# Altium PCB radxa_nx4_io_board_v1.11.PcbDoc (part 2 of 13)
Units mil, origin at the board's own origin, x right, y up, seen from the top; angles counter-clockwise.
Board outline 3937.01 x 3110.23 mil, 6 copper layers (TOP, GND02, ART03, ART04, GND05, BOTTOM), stack 47.2 mil thick; 639 components, 522 nets, 2442 pads, 1896 vias.
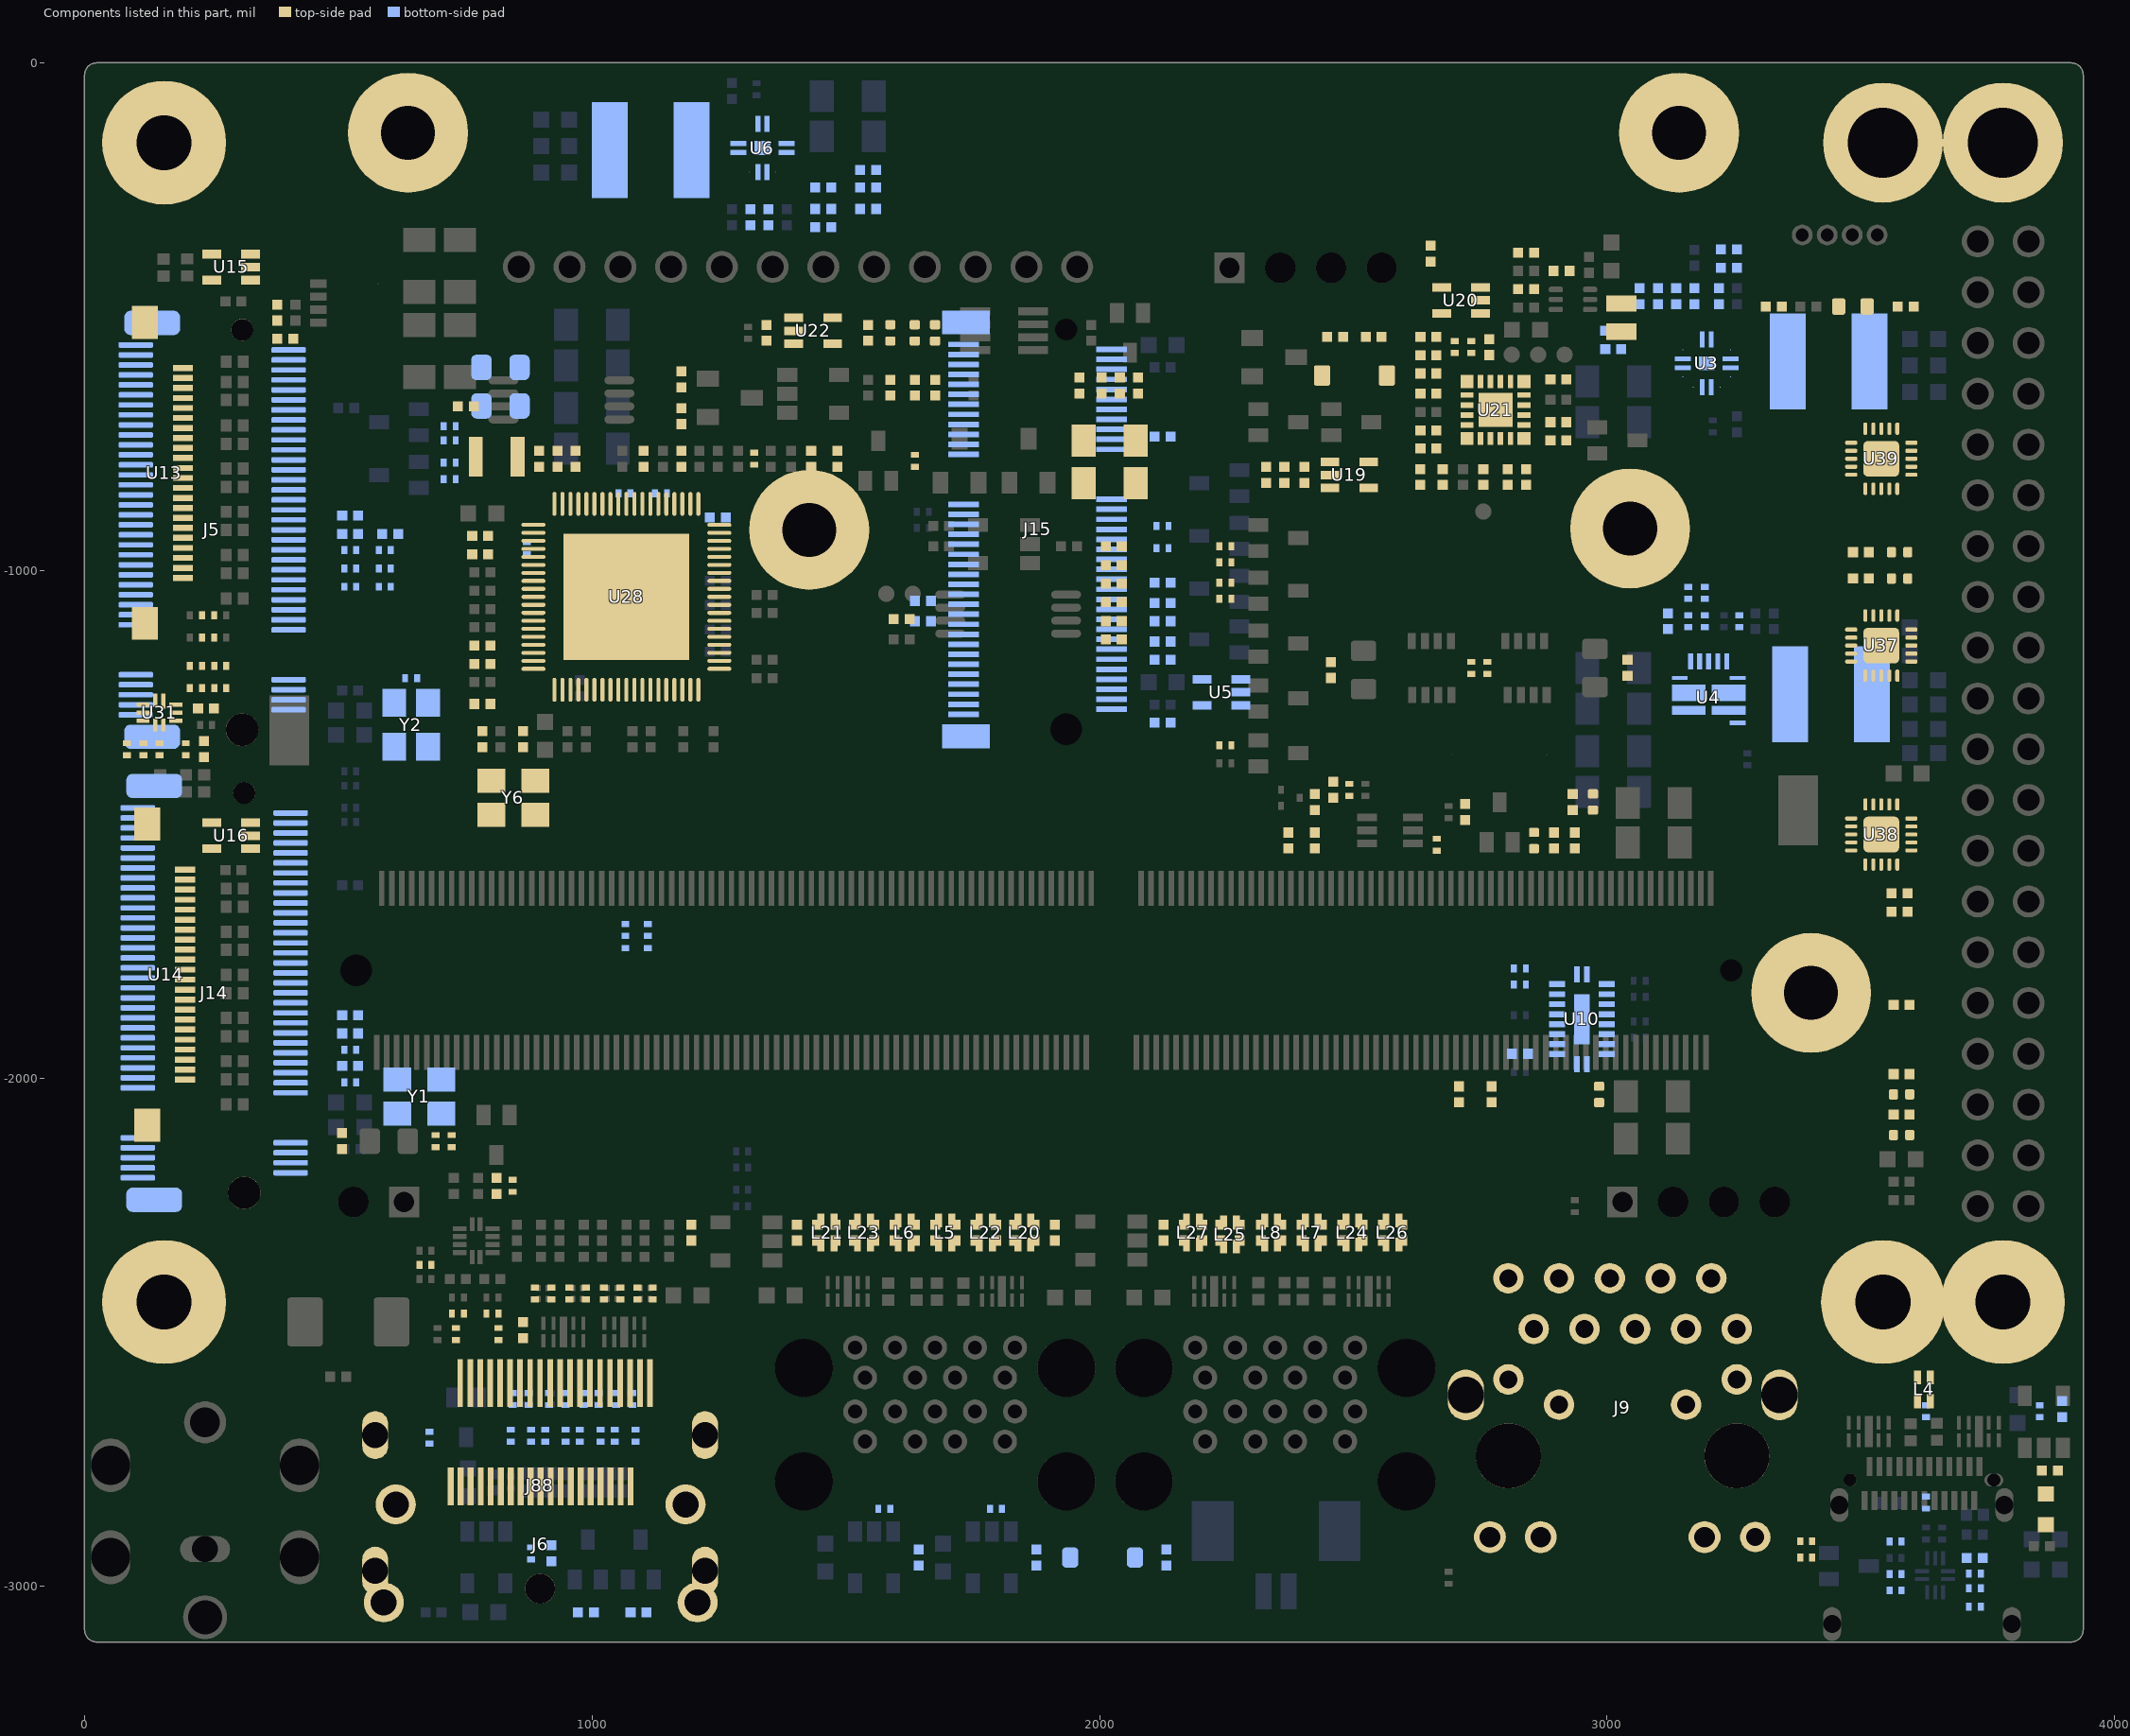
[diagram p6: the components of this part, seen from the top]

## Footprints (in the part's own frame and the unit in brackets; to place one, negate y for a bottom-side part, rotate by r counter-clockwise, add the part's x,y. Pads: shape width x height; smd on the part's side, far side on the other; paste and mask are expansions set on the pad) (continued)
DP_SM20_17D0X17D0 [mil] "DP_SM20_17D0X17D0"
  rect 11.02x94.49 smd: 1(216.53,264.5) 2(196.85,264.5) 3(177.16,264.5) 4(157.48,264.5) 5(137.79,264.5) 6(118.11,264.5) 7(98.42,264.5) 8(78.74,264.5) 9(59.05,264.5) 10(39.37,264.5) 11(19.68,264.5) 12(0,264.5) 13(-19.69,264.5) 14(-39.37,264.5) 15(-59.06,264.5) 16(-78.74,264.5) 17(-98.43,264.5) 18(-118.11,264.5) 19(-137.8,264.5) 20(-157.48,264.5)
  oval 51.18x94.49 hole 51.18 slot 94.49 at 90 deg: 21(-324.8,162.14) 22(-324.8,-104.79) 23(324.8,-104.79) 24(324.8,162.14)
  round 59.06 hole 59.06: ""(0,-140.22)
ESD_D0402 [mil] "ESD_D0402"
  rrect33% 18x20 smd: 1(16,0) 2(-16,0)
  TOP keep-out region: -6.5,10 -6.5,-10 6.5,-10 6.5,10
  TOP keep-out region: -30,15 -30,7 -21,7 -21,15
  TOP keep-out region: -30,-7 -30,-15 -21,-15 -21,-7
  body extent -33,-18 33,18, height 150
FB0603 [mil] "FB0603"
  rrect31% 26x32 smd: 1(-28,0.2) 2(28,0.2)
  body extent -48,-26 48,26, height 150
FB0805 [mil] "FB0805"
  rrect50% 40x50 smd: 1(-37.5,0) 2(37.5,0)
  body extent -70,-35 70,35, height 150
FPC_22_0D5_LIE [mm] "FPC_22_0D5_LIE"
  rect 0.3x1 smd: 1(5.25,2.15) 2(4.75,2.15) 3(4.25,2.15) 4(3.75,2.15) 5(3.25,2.15) 6(2.75,2.15) 7(2.25,2.15) 8(1.75,2.15) 9(1.25,2.15) 10(0.75,2.15) 11(0.25,2.15) 12(-0.25,2.15) 13(-0.75,2.15) 14(-1.25,2.15) 15(-1.75,2.15) 16(-2.25,2.15) 17(-2.75,2.15) 18(-3.25,2.15) 19(-3.75,2.15) 20(-4.25,2.15) 21(-4.75,2.15) 22(-5.25,2.15)
  rect 1.65x1.3 smd: 23(-7.525,0.25) 24(7.525,0.25)
  silkscreen extent 4.98,3.05 5.38,3.35, body extent -8.5,-2.85 8.5,2.85, height 3.81
HDMI_SM19_0D5_LIE_S [mm] "HDMI_SM19_0D5_LIE_S"
  rect 0.3x1.9 smd: 1(4.5,4.25) 2(4,4.25) 3(3.5,4.25) 4(3,4.25) 5(2.5,4.25) 6(2,4.25) 7(1.5,4.25) 8(1,4.25) 9(0.5,4.25) 10(0,4.25) 11(-0.5,4.25) 12(-1,4.25) 13(-1.5,4.25) 14(-2,4.25) 15(-2.5,4.25) 16(-3,4.25) 17(-3.5,4.25) 18(-4,4.25) 19(-4.5,4.25)
  round 2 hole 1.3: 20(-7.25,3.35) 21(7.25,3.35) 22(7.85,-1.55) 23(-7.85,-1.55)
  silkscreen extent -7.75,-5.15 7.75,5.75, body extent -8,-5.35 8,5.35, height 3.81
HOLE_2D7_6D0_A#1 [mm] "HOLE_2D7_6D0_A"
  round 3.7 / inner round 3.7 / far side round 6 hole 2.7: 1(0,0)
  body extent -3.05,-3.05 3.05,3.05, height 3.81
HOLE_2D7_6D0_A#2 [mm] "HOLE_2D7_6D0_A"
  round 6 / inner round 3.7 / far side round 3.7 hole 2.7: 1(0,0)
HOLE_C6_0D3_5MM [mm] "HOLE_C6_0D3_5MM"
  round 6 hole 3.5: 1(0,0)
  body extent -3.51,-3.51 3.51,3.51, height 3.81
HOLE_C6_2D2_75MM [mil] "HOLE_C6_2D2_75MM"
  round 244.09 / inner round 147.64 / far side round 244.09 hole 108.27: 1(0,0)
  body extent -126,-126 126,125, height 150
L_2016 [mil] "L_2016"
  rect 32x60 smd: 1(-27.56,0) 2(27.56,0)
  body extent -50,-40 50,40, height 150
L_2520 [mm] "L_2520"
  rect 0.7x2 smd: 1(-1.037,0) 2(1.063,0)
  TOP keep-out region: -0.597,-1.016 0.622,-1.016 0.622,1.016 -0.597,1.016
  body extent -1.46,-1.04 1.46,1.04, height 3.81
L_5030 [mil] "L_5030"
  rect 70.87x188.98 smd: 1(-80.71,0) 2(80.71,0)
  body extent -126,-103 126,103, height 150
LC1210 [mm] "LC1210"
  rect 0.7x0.35 smd: 1(-0.6,-0.325) 2(-0.6,0.325) 3(0.6,0.325) 4(0.6,-0.325)
  silkscreen extent -0.95,-1.38 -0.43,-0.86, body extent -1.27,-0.76 1.27,0.76, height 3.81
LED_D0603 [mil] "LED_D0603"
  rect 30x32 smd: 1(-30.25,0) 2(29.75,0)
  silkscreen extent -10,-20 10,20, body extent -53,-25 53,25, height 150
M2-M_KEY_SM_75_0D5 [mil] "M2-M_KEY_SM_75_0D5"
  rrect50% 68x11 smd: 1(-1652.56,-364.17) 2(-1351.37,-354.33) 3(-1652.56,-344.49) 4(-1351.37,-334.65) 5(-1652.56,-324.8) 6(-1351.37,-314.96) 7(-1652.56,-305.12) 8(-1351.37,-295.28) 9(-1652.56,-285.43) 10(-1351.37,-275.59) 11(-1652.56,-265.75) 12(-1351.37,-255.91) 13(-1652.56,-246.06) 14(-1351.37,-236.22) 15(-1652.56,-226.38) 16(-1351.37,-216.54) 17(-1652.56,-206.69) 18(-1351.37,-196.85) 19(-1652.56,-187.01) 20(-1351.37,-177.17) 21(-1652.56,-167.32) 22(-1351.37,-157.48) 23(-1652.56,-147.64) 24(-1351.37,-137.8) 25(-1652.56,-127.95) 26(-1351.37,-118.11) 27(-1652.56,-108.27) 28(-1351.37,-98.43) 29(-1652.56,-88.58) 30(-1351.37,-78.74) 31(-1652.56,-68.9) 32(-1351.37,-59.06) 33(-1652.56,-49.21) 34(-1351.37,-39.37) 35(-1652.56,-29.53) 36(-1351.37,-19.69) 37(-1652.56,-9.84) 38(-1351.37,0) 39(-1652.56,9.84) 40(-1351.37,19.69) 41(-1652.56,29.53) 42(-1351.37,39.37) 43(-1652.56,49.21) 44(-1351.37,59.06) 45(-1652.56,68.9) 46(-1351.37,78.74) 47(-1652.56,88.58) 48(-1351.37,98.43) 49(-1652.56,108.27) 50(-1351.37,118.11) 51(-1652.56,127.95) 52(-1351.37,137.8) 53(-1652.56,147.64) 54(-1351.37,157.48) 55(-1652.56,167.32) 56(-1351.37,177.17) 57(-1652.56,187.01) 58(-1351.37,196.85) 67(-1652.56,285.43) 68(-1351.37,295.28) 69(-1652.56,305.12) 70(-1351.37,314.96) 71(-1652.56,324.8) 72(-1351.37,334.65) 73(-1652.56,344.49) 74(-1351.37,354.33) 75(-1652.56,364.17)
  rrect50% 110x48 smd: G1(-1620.08,407.48) G2(-1620.08,-407.48)
  round 43.31 hole 43.31 unplated: ""(-1442.91,-393.7)
  round 64 hole 64 unplated: ""(-1442.91,393.7)
  TOP keep-out region: -1620.08,279.53 -1683.07,279.53 -1683.07,271.65 -1620.08,271.65
  TOP keep-out region: -1318.89,289.37 -1381.89,289.37 -1381.89,281.5 -1318.89,281.5
  TOP keep-out region: -1318.89,309.06 -1381.89,309.06 -1381.89,301.18 -1318.89,301.18
  TOP keep-out region: -1318.89,328.74 -1381.89,328.74 -1381.89,320.87 -1318.89,320.87
  TOP keep-out region: -1318.89,348.43 -1381.89,348.43 -1381.89,340.55 -1318.89,340.55
  TOP keep-out region: -1318.89,368.11 -1381.89,368.11 -1381.89,360.24 -1318.89,360.24
  TOP keep-out region: -1320.86,-360.24 -1383.85,-360.24 -1383.85,-368.11 -1320.86,-368.11
  TOP keep-out region: -1320.86,-340.55 -1383.85,-340.55 -1383.85,-348.43 -1320.86,-348.43
  TOP keep-out region: -1320.86,-320.87 -1383.85,-320.87 -1383.85,-328.74 -1320.86,-328.74
  TOP keep-out region: -1320.86,-301.18 -1383.85,-301.18 -1383.85,-309.06 -1320.86,-309.06
  TOP keep-out region: -1320.86,-281.5 -1383.85,-281.5 -1383.85,-289.37 -1320.86,-289.37
  TOP keep-out region: -1320.86,-261.81 -1383.85,-261.81 -1383.85,-269.69 -1320.86,-269.69
  TOP keep-out region: -1320.86,-242.13 -1383.85,-242.13 -1383.85,-250 -1320.86,-250
  TOP keep-out region: -1320.86,-222.44 -1383.85,-222.44 -1383.85,-230.31 -1320.86,-230.31
  TOP keep-out region: -1320.86,-202.76 -1383.85,-202.76 -1383.85,-210.63 -1320.86,-210.63
  TOP keep-out region: -1320.86,-183.07 -1383.85,-183.07 -1383.85,-190.94 -1320.86,-190.94
  TOP keep-out region: -1320.86,-163.39 -1383.85,-163.39 -1383.85,-171.26 -1320.86,-171.26
  TOP keep-out region: -1320.86,-143.7 -1383.85,-143.7 -1383.85,-151.57 -1320.86,-151.57
  TOP keep-out region: -1320.86,-124.02 -1383.85,-124.02 -1383.85,-131.89 -1320.86,-131.89
  TOP keep-out region: -1320.86,-104.33 -1383.85,-104.33 -1383.85,-112.2 -1320.86,-112.2
  TOP keep-out region: -1320.86,-84.65 -1383.85,-84.65 -1383.85,-92.52 -1320.86,-92.52
  TOP keep-out region: -1320.86,-64.96 -1383.85,-64.96 -1383.85,-72.83 -1320.86,-72.83
  TOP keep-out region: -1320.86,-45.28 -1383.85,-45.28 -1383.85,-53.15 -1320.86,-53.15
  TOP keep-out region: -1320.86,-25.59 -1383.85,-25.59 -1383.85,-33.46 -1320.86,-33.46
  TOP keep-out region: -1320.86,-5.91 -1383.85,-5.91 -1383.85,-13.78 -1320.86,-13.78
  TOP keep-out region: -1320.86,13.78 -1383.85,13.78 -1383.85,5.91 -1320.86,5.91
  TOP keep-out region: -1320.86,33.46 -1383.85,33.46 -1383.85,25.59 -1320.86,25.59
  TOP keep-out region: -1320.86,53.15 -1383.85,53.15 -1383.85,45.28 -1320.86,45.28
  TOP keep-out region: -1320.86,72.83 -1383.85,72.83 -1383.85,64.96 -1320.86,64.96
  TOP keep-out region: -1320.86,92.52 -1383.85,92.52 -1383.85,84.65 -1320.86,84.65
  TOP keep-out region: -1320.86,112.2 -1383.85,112.2 -1383.85,104.33 -1320.86,104.33
  TOP keep-out region: -1320.86,131.89 -1383.85,131.89 -1383.85,124.02 -1320.86,124.02
  TOP keep-out region: -1320.86,151.57 -1383.85,151.57 -1383.85,143.7 -1320.86,143.7
  TOP keep-out region: -1320.86,171.26 -1383.85,171.26 -1383.85,163.39 -1320.86,163.39
  TOP keep-out region: -1320.86,190.94 -1383.85,190.94 -1383.85,183.07 -1320.86,183.07
  TOP keep-out region: -1320.86,210.63 -1383.85,210.63 -1383.85,202.76 -1320.86,202.76
  TOP keep-out region: -1620.08,-350.39 -1683.07,-350.39 -1683.07,-358.27 -1620.08,-358.27
  TOP keep-out region: -1620.08,-330.71 -1683.07,-330.71 -1683.07,-338.58 -1620.08,-338.58
  TOP keep-out region: -1620.08,-311.02 -1683.07,-311.02 -1683.07,-318.9 -1620.08,-318.9
  TOP keep-out region: -1620.08,-291.34 -1683.07,-291.34 -1683.07,-299.21 -1620.08,-299.21
  TOP keep-out region: -1620.08,-271.65 -1683.07,-271.65 -1683.07,-279.53 -1620.08,-279.53
  TOP keep-out region: -1620.08,-251.97 -1683.07,-251.97 -1683.07,-259.84 -1620.08,-259.84
  TOP keep-out region: -1620.08,-232.28 -1683.07,-232.28 -1683.07,-240.16 -1620.08,-240.16
  TOP keep-out region: -1620.08,-212.6 -1683.07,-212.6 -1683.07,-220.47 -1620.08,-220.47
  TOP keep-out region: -1620.08,-192.91 -1683.07,-192.91 -1683.07,-200.79 -1620.08,-200.79
  TOP keep-out region: -1620.08,-173.23 -1683.07,-173.23 -1683.07,-181.1 -1620.08,-181.1
  TOP keep-out region: -1620.08,-153.54 -1683.07,-153.54 -1683.07,-161.42 -1620.08,-161.42
  TOP keep-out region: -1620.08,-133.86 -1683.07,-133.86 -1683.07,-141.73 -1620.08,-141.73
  TOP keep-out region: -1620.08,-114.17 -1683.07,-114.17 -1683.07,-122.05 -1620.08,-122.05
  TOP keep-out region: -1620.08,-94.49 -1683.07,-94.49 -1683.07,-102.36 -1620.08,-102.36
  TOP keep-out region: -1620.08,-74.8 -1683.07,-74.8 -1683.07,-82.68 -1620.08,-82.68
  TOP keep-out region: -1620.08,-55.12 -1683.07,-55.12 -1683.07,-62.99 -1620.08,-62.99
  TOP keep-out region: -1620.08,-35.43 -1683.07,-35.43 -1683.07,-43.31 -1620.08,-43.31
  TOP keep-out region: -1620.08,-15.75 -1683.07,-15.75 -1683.07,-23.62 -1620.08,-23.62
  TOP keep-out region: -1620.08,3.94 -1683.07,3.94 -1683.07,-3.94 -1620.08,-3.94
  TOP keep-out region: -1620.08,23.62 -1683.07,23.62 -1683.07,15.75 -1620.08,15.75
  TOP keep-out region: -1620.08,43.31 -1683.07,43.31 -1683.07,35.43 -1620.08,35.43
  TOP keep-out region: -1620.08,62.99 -1683.07,62.99 -1683.07,55.12 -1620.08,55.12
  TOP keep-out region: -1620.08,82.68 -1683.07,82.68 -1683.07,74.8 -1620.08,74.8
  TOP keep-out region: -1620.08,102.36 -1683.07,102.36 -1683.07,94.49 -1620.08,94.49
  TOP keep-out region: -1620.08,122.05 -1683.07,122.05 -1683.07,114.17 -1620.08,114.17
  TOP keep-out region: -1620.08,141.73 -1683.07,141.73 -1683.07,133.86 -1620.08,133.86
  TOP keep-out region: -1620.08,161.42 -1683.07,161.42 -1683.07,153.54 -1620.08,153.54
  TOP keep-out region: -1620.08,181.1 -1683.07,181.1 -1683.07,173.23 -1620.08,173.23
  TOP keep-out region: -1620.08,200.79 -1683.07,200.79 -1683.07,192.91 -1620.08,192.91
  TOP keep-out region: -1620.08,299.21 -1683.07,299.21 -1683.07,291.34 -1620.08,291.34
  TOP keep-out region: -1620.08,318.9 -1683.07,318.9 -1683.07,311.02 -1620.08,311.02
  TOP keep-out region: -1620.08,338.58 -1683.07,338.58 -1683.07,330.71 -1620.08,330.71
  TOP keep-out region: -1620.08,358.27 -1683.07,358.27 -1683.07,350.39 -1620.08,350.39
  TOP keep-out region: -1572.83,-370.08 -1604.33,-370.08 -1604.33,-381.89 -1572.83,-381.89
  TOP keep-out region: -1631.89,-370.08 -1663.38,-370.08 -1663.38,-381.89 -1631.89,-381.89
  TOP keep-out region: -1687,-393.7 -1687,-421.26 -1675.19,-421.26 -1675.19,-393.7
  TOP keep-out region: -1631.89,-433.07 -1663.38,-433.07 -1663.38,-444.88 -1631.89,-444.88
  TOP keep-out region: -1572.83,-433.07 -1604.33,-433.07 -1604.33,-444.88 -1572.83,-444.88
  TOP keep-out region: -1564.96,-393.7 -1564.96,-421.26 -1553.15,-421.26 -1553.15,-393.7
  TOP keep-out region: -1564.96,421.26 -1564.96,393.7 -1553.15,393.7 -1553.15,421.26
  TOP keep-out region: -1687,421.26 -1687,393.7 -1675.19,393.7 -1675.19,421.26
  TOP keep-out region: -1631.89,381.89 -1663.38,381.89 -1663.38,370.08 -1631.89,370.08
  TOP keep-out region: -1572.83,381.89 -1604.33,381.89 -1604.33,370.08 -1572.83,370.08
  TOP keep-out region: -1631.89,444.88 -1663.38,444.88 -1663.38,433.07 -1631.89,433.07
  TOP keep-out region: -1572.83,444.88 -1604.33,444.88 -1604.33,433.07 -1572.83,433.07
  Multi-Layer keep-out region: -1399.23,393.7 -1400.71,382.39 -1405.08,371.86 -1412.02,362.81 -1421.07,355.87 -1431.6,351.5 -1442.91,350.02 -1454.22,351.5 -1464.75,355.87 -1464.75,355.87 -1473.8,362.81 -1480.74,371.86 -1485.11,382.39 -1486.59,393.7 -1485.11,405.01 -1480.74,415.54 -1473.8,424.59 -1464.75,431.53 -1464.75,431.53 -1454.22,435.9 -1442.91,437.38 -1431.6,435.9 -1421.07,431.53 -1412.02,424.59 -1405.08,415.54 -1400.71,405.01 -1399.23,393.7
  Multi-Layer keep-out region: -1407.17,-393.7 -1408.39,-402.95 -1411.96,-411.57 -1417.64,-418.97 -1425.04,-424.65 -1433.66,-428.22 -1442.91,-429.44 -1452.16,-428.22 -1460.78,-424.65 -1460.78,-424.65 -1468.18,-418.97 -1473.86,-411.57 -1477.43,-402.95 -1478.65,-393.7 -1477.43,-384.45 -1473.86,-375.83 -1468.18,-368.43 -1460.78,-362.75 -1460.78,-362.75 -1452.16,-359.18 -1442.91,-357.96 -1433.66,-359.18 -1425.04,-362.75 -1417.64,-368.43 -1411.96,-375.83 -1408.39,-384.45 -1407.17,-393.7
  silkscreen extent -1711,-372 -1593,-356, body extent -1707,-610 1707,610, height 150
OSC_SM4_3D2X2D5#1 [mil] "OSC_SM4_3D2X2D5"
  rect 55.12x47.24 smd: 1(-43.31,-33.46) 2(43.31,-33.46) 3(43.31,33.46) 4(-43.31,33.46)
  silkscreen extent -57,-76 -35,-65, body extent -65,-51 65,51, height 150
OSC_SM4_3D2X2D5#2 [mil] "OSC_SM4_3D2X2D5"
  rect 55.12x47.24 smd: 1(43.31,33.46) 2(-43.31,33.46) 3(-43.31,-33.46) 4(43.31,-33.46)
  silkscreen extent 45,58 67,70, body extent -65,-51 65,51, height 150
PCIE_E_KEY_SM75_0D5_30 [mm] "PCIE_E_KEY_SM75_0D5_30"
  rect 0.28x1.55 smd: 1(9.275,-18.735) 2(9.025,-11.335) 3(8.775,-18.735) 4(8.525,-11.335) 5(8.275,-18.735) 6(8.025,-11.335) 7(7.775,-18.735) 8(7.525,-11.335) 9(7.275,-18.735) 10(7.025,-11.335) 11(6.775,-18.735) 12(6.525,-11.335) 13(6.275,-18.735) 14(6.025,-11.335) 15(5.775,-18.735) 16(5.525,-11.335) 17(5.275,-18.735) 18(5.025,-11.335) 19(4.775,-18.735) 20(4.525,-11.335) 21(4.275,-18.735) 22(4.025,-11.335) 23(3.775,-18.735) 32(1.525,-11.335) 33(1.275,-18.735) 34(1.025,-11.335) 35(0.775,-18.735) 36(0.525,-11.335) 37(0.275,-18.735) 38(0.025,-11.335) 39(-0.225,-18.735) 40(-0.475,-11.335) 41(-0.725,-18.735) 42(-0.975,-11.335) 43(-1.225,-18.735) 44(-1.475,-11.335) 45(-1.725,-18.735) 46(-1.975,-11.335) 47(-2.225,-18.735) 48(-2.475,-11.335) 49(-2.725,-18.735) 50(-2.975,-11.335) 51(-3.225,-18.735) 52(-3.475,-11.335) 53(-3.725,-18.735) 54(-3.975,-11.335) 55(-4.225,-18.735) 56(-4.475,-11.335) 57(-4.725,-18.735) 58(-4.975,-11.335) 59(-5.225,-18.735) 60(-5.475,-11.335) 61(-5.725,-18.735) 62(-5.975,-11.335) 63(-6.225,-18.735) 64(-6.475,-11.335) 65(-6.725,-18.735) 66(-6.975,-11.335) 67(-7.225,-18.735) 68(-7.475,-11.335) 69(-7.725,-18.735) 70(-7.975,-11.335) 71(-8.225,-18.735) 72(-8.475,-11.335) 73(-8.725,-18.735) 74(-8.975,-11.335) 75(-9.225,-18.735)
  rect 1.2x2.39 smd: 76(10.375,-18.62) 77(-10.325,-18.62)
  round 0.13 hole 1.6 unplated: ""(-9.975,-13.61)
  round 0.13 hole 1.1 unplated: ""(10.025,-13.61)
  TOP keep-out region: 9.135,-17.96 8.915,-17.96 8.915,-19.51 9.135,-19.51
  TOP keep-out region: 8.635,-17.96 8.415,-17.96 8.415,-19.51 8.635,-19.51
  TOP keep-out region: 8.135,-17.96 7.915,-17.96 7.915,-19.51 8.135,-19.51
  TOP keep-out region: 7.635,-17.96 7.415,-17.96 7.415,-19.51 7.635,-19.51
  TOP keep-out region: 7.135,-17.96 6.915,-17.96 6.915,-19.51 7.135,-19.51
  TOP keep-out region: 6.635,-17.96 6.415,-17.96 6.415,-19.51 6.635,-19.51
  TOP keep-out region: 6.135,-17.96 5.915,-17.96 5.915,-19.51 6.135,-19.51
  TOP keep-out region: 5.635,-17.96 5.415,-17.96 5.415,-19.51 5.635,-19.51
  TOP keep-out region: 5.135,-17.96 4.915,-17.96 4.915,-19.51 5.135,-19.51
  TOP keep-out region: 4.635,-17.96 4.415,-17.96 4.415,-19.51 4.635,-19.51
  TOP keep-out region: 4.135,-17.96 3.915,-17.96 3.915,-19.51 4.135,-19.51
  TOP keep-out region: 1.135,-17.96 0.915,-17.96 0.915,-19.51 1.135,-19.51
  TOP keep-out region: 0.635,-17.96 0.415,-17.96 0.415,-19.51 0.635,-19.51
  TOP keep-out region: 0.135,-17.96 -0.085,-17.96 -0.085,-19.51 0.135,-19.51
  TOP keep-out region: -0.365,-17.96 -0.585,-17.96 -0.585,-19.51 -0.365,-19.51
  TOP keep-out region: -0.865,-17.96 -1.085,-17.96 -1.085,-19.51 -0.865,-19.51
  TOP keep-out region: -1.365,-17.96 -1.585,-17.96 -1.585,-19.51 -1.365,-19.51
  TOP keep-out region: -1.865,-17.96 -2.085,-17.96 -2.085,-19.51 -1.865,-19.51
  TOP keep-out region: -2.365,-17.96 -2.585,-17.96 -2.585,-19.51 -2.365,-19.51
  TOP keep-out region: -2.865,-17.96 -3.085,-17.96 -3.085,-19.51 -2.865,-19.51
  TOP keep-out region: -3.365,-17.96 -3.585,-17.96 -3.585,-19.51 -3.365,-19.51
  TOP keep-out region: -3.865,-17.96 -4.085,-17.96 -4.085,-19.51 -3.865,-19.51
  TOP keep-out region: -4.365,-17.96 -4.585,-17.96 -4.585,-19.51 -4.365,-19.51
  TOP keep-out region: -4.865,-17.96 -5.085,-17.96 -5.085,-19.51 -4.865,-19.51
  TOP keep-out region: -5.365,-17.96 -5.585,-17.96 -5.585,-19.51 -5.365,-19.51
  TOP keep-out region: -5.865,-17.96 -6.085,-17.96 -6.085,-19.51 -5.865,-19.51
  TOP keep-out region: -6.365,-17.96 -6.585,-17.96 -6.585,-19.51 -6.365,-19.51
  TOP keep-out region: -6.865,-17.96 -7.085,-17.96 -7.085,-19.51 -6.865,-19.51
  TOP keep-out region: -7.365,-17.96 -7.585,-17.96 -7.585,-19.51 -7.365,-19.51
  TOP keep-out region: -7.865,-17.96 -8.085,-17.96 -8.085,-19.51 -7.865,-19.51
  TOP keep-out region: -8.365,-17.96 -8.585,-17.96 -8.585,-19.51 -8.365,-19.51
  TOP keep-out region: -8.865,-17.96 -9.085,-17.96 -9.085,-19.51 -8.865,-19.51
  TOP keep-out region: 8.885,-10.56 8.665,-10.56 8.665,-12.11 8.885,-12.11
  TOP keep-out region: 8.385,-10.56 8.165,-10.56 8.165,-12.11 8.385,-12.11
  TOP keep-out region: 7.885,-10.56 7.665,-10.56 7.665,-12.11 7.885,-12.11
  TOP keep-out region: 7.385,-10.56 7.165,-10.56 7.165,-12.11 7.385,-12.11
  TOP keep-out region: 6.885,-10.56 6.665,-10.56 6.665,-12.11 6.885,-12.11
  TOP keep-out region: 6.385,-10.56 6.165,-10.56 6.165,-12.11 6.385,-12.11
  TOP keep-out region: 5.885,-10.56 5.665,-10.56 5.665,-12.11 5.885,-12.11
  TOP keep-out region: 5.385,-10.56 5.165,-10.56 5.165,-12.11 5.385,-12.11
  TOP keep-out region: 4.885,-10.56 4.665,-10.56 4.665,-12.11 4.885,-12.11
  TOP keep-out region: 4.385,-10.56 4.165,-10.56 4.165,-12.11 4.385,-12.11
  TOP keep-out region: 1.385,-10.56 1.165,-10.56 1.165,-12.11 1.385,-12.11
  TOP keep-out region: 0.885,-10.56 0.665,-10.56 0.665,-12.11 0.885,-12.11
  TOP keep-out region: 0.385,-10.56 0.165,-10.56 0.165,-12.11 0.385,-12.11
  TOP keep-out region: -0.115,-10.56 -0.335,-10.56 -0.335,-12.11 -0.115,-12.11
  TOP keep-out region: -0.615,-10.56 -0.835,-10.56 -0.835,-12.11 -0.615,-12.11
  TOP keep-out region: -1.115,-10.56 -1.335,-10.56 -1.335,-12.11 -1.115,-12.11
  TOP keep-out region: -1.615,-10.56 -1.835,-10.56 -1.835,-12.11 -1.615,-12.11
  TOP keep-out region: -2.115,-10.56 -2.335,-10.56 -2.335,-12.11 -2.115,-12.11
  TOP keep-out region: -2.615,-10.56 -2.835,-10.56 -2.835,-12.11 -2.615,-12.11
  TOP keep-out region: -3.115,-10.56 -3.335,-10.56 -3.335,-12.11 -3.115,-12.11
  TOP keep-out region: -3.615,-10.56 -3.835,-10.56 -3.835,-12.11 -3.615,-12.11
  TOP keep-out region: -4.115,-10.56 -4.335,-10.56 -4.335,-12.11 -4.115,-12.11
  TOP keep-out region: -4.615,-10.56 -4.835,-10.56 -4.835,-12.11 -4.615,-12.11
  TOP keep-out region: -5.115,-10.56 -5.335,-10.56 -5.335,-12.11 -5.115,-12.11
  TOP keep-out region: -5.615,-10.56 -5.835,-10.56 -5.835,-12.11 -5.615,-12.11
  TOP keep-out region: -6.115,-10.56 -6.335,-10.56 -6.335,-12.11 -6.115,-12.11
  TOP keep-out region: -6.615,-10.56 -6.835,-10.56 -6.835,-12.11 -6.615,-12.11
  TOP keep-out region: -7.115,-10.56 -7.335,-10.56 -7.335,-12.11 -7.115,-12.11
  TOP keep-out region: -7.615,-10.56 -7.835,-10.56 -7.835,-12.11 -7.615,-12.11
  TOP keep-out region: -8.115,-10.56 -8.335,-10.56 -8.335,-12.11 -8.115,-12.11
  TOP keep-out region: -8.615,-10.56 -8.835,-10.56 -8.835,-12.11 -8.615,-12.11
  Multi-Layer keep-out region: 10.025,-12.803 10.234,-12.831 10.428,-12.911 10.596,-13.039 10.724,-13.207 10.804,-13.401 10.832,-13.61 10.804,-13.819 10.724,-14.014 10.724,-14.014 10.596,-14.181 10.428,-14.309 10.234,-14.39 10.025,-14.417 9.816,-14.39 9.621,-14.309 9.454,-14.181 9.326,-14.014 9.326,-14.014 9.245,-13.819 9.218,-13.61 9.245,-13.401 9.326,-13.207 9.454,-13.039 9.621,-12.911 9.816,-12.831 10.025,-12.803
  Multi-Layer keep-out region: -9.975,-12.551 -9.701,-12.587 -9.446,-12.693 -9.226,-12.861 -9.058,-13.081 -8.952,-13.336 -8.916,-13.61 -8.952,-13.884 -9.058,-14.14 -9.058,-14.14 -9.226,-14.359 -9.446,-14.527 -9.701,-14.633 -9.975,-14.669 -10.249,-14.633 -10.505,-14.527 -10.724,-14.359 -10.892,-14.14 -10.892,-14.14 -10.998,-13.884 -11.034,-13.61 -10.998,-13.336 -10.892,-13.081 -10.724,-12.861 -10.505,-12.693 -10.249,-12.587 -9.975,-12.551
  Multi-Layer keep-out region: 10.025,-12.803 10.234,-12.831 10.428,-12.911 10.596,-13.039 10.724,-13.207 10.804,-13.401 10.832,-13.61 10.804,-13.819 10.724,-14.014 10.724,-14.014 10.596,-14.181 10.428,-14.309 10.234,-14.39 10.025,-14.417 9.816,-14.39 9.621,-14.309 9.454,-14.181 9.326,-14.014 9.326,-14.014 9.245,-13.819 9.218,-13.61 9.245,-13.401 9.326,-13.207 9.454,-13.039 9.621,-12.911 9.816,-12.831 10.025,-12.803
  Multi-Layer keep-out region: -9.975,-12.551 -9.701,-12.587 -9.446,-12.693 -9.226,-12.861 -9.058,-13.081 -8.952,-13.336 -8.916,-13.61 -8.952,-13.884 -9.058,-14.14 -9.058,-14.14 -9.226,-14.359 -9.446,-14.527 -9.701,-14.633 -9.975,-14.669 -10.249,-14.633 -10.505,-14.527 -10.724,-14.359 -10.892,-14.14 -10.892,-14.14 -10.998,-13.884 -11.034,-13.61 -10.998,-13.336 -10.892,-13.081 -10.724,-12.861 -10.505,-12.693 -10.249,-12.587 -9.975,-12.551
  silkscreen extent 8.99,-20.05 9.56,-19.76, body extent -11.03,-19.81 11.02,19.31, height 3.81
QFN10_0D4_1D4 [mm] "QFN10_0D4_1D4"
  rect 0.22x0.75 smd: 1(-0.2,-0.575)
  rect 0.22x0.65 smd: 2(0.2,-0.625) 6(0.2,0.625) 7(-0.2,0.625)
  rect 0.65x0.22 smd: 3(0.825,-0.4) 4(0.825,0) 5(0.825,0.4) 8(-0.825,0.4) 9(-0.825,0) 10(-0.825,-0.4)
  TOP keep-out region: -0.5,0.55 -0.35,0.55 -0.35,0.3 -0.5,0.29
  TOP keep-out region: -0.5,-0.25 -0.35,-0.25 -0.35,-0.55 -0.5,-0.55
  TOP keep-out region: 0.5,-0.29 0.35,-0.3 0.35,-0.55 0.5,-0.55
  TOP keep-out region: 0.5,0.29 0.35,0.3 0.35,0.55 0.5,0.55
  TOP keep-out region: -1.15,0.25 -1.15,0.15 -0.5,0.15 -0.5,0.25
  TOP keep-out region: -1.15,-0.15 -1.15,-0.25 -0.5,-0.25 -0.5,-0.15
  TOP keep-out region: 0.5,0.25 0.5,0.15 1.15,0.15 1.15,0.25
  TOP keep-out region: 0.5,-0.15 0.5,-0.25 1.15,-0.25 1.15,-0.15
  TOP keep-out region: -0.05,0.95 -0.05,0.3 0.05,0.3 0.05,0.95
  TOP keep-out region: 0.05,-0.3 0.05,-0.95 -0.05,-0.95 -0.05,-0.3
  silkscreen extent -0.49,-1.44 0.08,-1.16, body extent -0.95,-0.75 0.95,0.75, height 3.81
QFN13_0D45_3 [mil] "QFN13_0D45_3"
  round 1 smd: 1(-9.84,64.96)
  rect 66.93x17.72 smd: 2(-39.37,19.69) 12(39.37,19.69)
  rect 66.93x33.46 smd: 3(-39.37,-14.96) 11(39.37,-14.96)
  rect 31.5x7.87 smd: 4(-57.09,-44.49) 10(57.09,-44.49)
  rect 9.84x31.5 smd: 5(-35.43,-76.77) 6(-17.72,-76.77) 7(0,-76.77) 8(17.72,-76.77) 9(35.43,-76.77)
  rect 31.5x9.84 smd: 13(57.09,44.29)
  TOP region: -59.05,39.37 -59.05,92.52 39.37,92.52 39.37,59.05 19.69,39.37
  silkscreen extent -16,100 0,112, body extent -75,-94 75,94, height 150
QFN16_0D45_2D5 [mil] "QFN16_0D45_2D5"
  round 1 smd: 1(47.24,-26.57) 4(47.24,26.57) 5(26.57,47.24) 8(-26.57,47.24) 9(-47.24,26.57) 12(-47.24,-26.57) 13(-26.57,-47.24) 16(26.57,-47.24)
  rect 31.5x9.84 smd: 2(47.24,-8.86) 3(47.24,8.86) 10(-47.24,8.86) 11(-47.24,-8.86)
  rect 9.84x31.5 smd: 6(8.86,47.24) 7(-8.86,47.24) 14(-8.86,-47.24) 15(8.86,-47.24)
  rect 27.56x31.5 smd: 17(0,0)
  TOP region: 31.49,-62.99 31.49,-37.4 25.59,-31.49 21.65,-31.49 21.65,-62.99
  TOP region: -21.65,-62.99 -21.65,-37.4 -21.65,-32.48 -21.65,-31.49 -22.63,-31.49 -25.59,-31.49 -31.49,-37.4 -31.49,-62.99
  TOP region: 62.99,-21.65 37.4,-21.65 32.48,-21.65 31.49,-21.65 31.49,-22.63 31.49,-25.59 37.4,-31.49 62.99,-31.49
  TOP region: -62.99,-31.49 -37.4,-31.49 -31.49,-25.59 -31.49,-21.65 -62.99,-21.65
  TOP region: 62.99,31.49 37.4,31.49 31.49,25.59 31.49,21.65 62.99,21.65
  TOP region: -62.99,21.65 -37.4,21.65 -32.48,21.65 -31.49,21.65 -31.49,22.63 -31.49,25.59 -37.4,31.49 -62.99,31.49
  TOP region: 21.65,62.99 21.65,37.4 21.65,32.48 21.65,31.49 22.63,31.49 25.59,31.49 31.49,37.4 31.49,62.99
  TOP region: -31.49,62.99 -31.49,37.4 -25.59,31.49 -21.65,31.49 -21.65,62.99
  silkscreen extent 78,-38 98,-18
QFN20_0D4_3 [mil] "QFN20_0D4_3"
  rrect75% 8x24 smd: 1(-31.5,-59.24) 2(-15.75,-59.24) 3(0,-59.24) 4(15.75,-59.24) 5(31.5,-59.24) 11(31.5,59.24) 12(15.75,59.24) 13(0,59.24) 14(-15.75,59.24) 15(-31.5,59.24)
  rrect75% 24x8 smd: 6(59.24,-31.5) 7(59.24,-15.75) 8(59.24,0) 9(59.24,15.75) 10(59.24,31.5) 16(-59.24,31.5) 17(-59.24,15.75) 18(-59.24,0) 19(-59.24,-15.75) 20(-59.24,-31.5)
  rrect23% 70x70 smd: 21(0,0)
  TOP keep-out region: 49.21,-27.48 68.9,-27.48 68.9,-19.76 49.21,-19.76
  TOP keep-out region: 49.21,-11.73 68.9,-11.73 68.9,-4.02 49.21,-4.02
  TOP keep-out region: 49.21,4.02 68.9,4.02 68.9,11.73 49.21,11.73
  TOP keep-out region: 49.21,19.76 68.9,19.76 68.9,27.48 49.21,27.48
  TOP keep-out region: -68.9,-27.48 -49.21,-27.48 -49.21,-19.76 -68.9,-19.76
  TOP keep-out region: -68.9,-11.73 -49.21,-11.73 -49.21,-4.02 -68.9,-4.02
  TOP keep-out region: -68.9,4.02 -49.21,4.02 -49.21,11.73 -68.9,11.73
  TOP keep-out region: -68.9,19.76 -49.21,19.76 -49.21,27.48 -68.9,27.48
  TOP keep-out region: 19.76,-49.21 19.76,-68.9 27.48,-68.9 27.48,-49.21
  TOP keep-out region: 4.02,-49.21 4.02,-68.9 11.73,-68.9 11.73,-49.21
  TOP keep-out region: -11.73,-49.21 -11.73,-68.9 -4.02,-68.9 -4.02,-49.21
  TOP keep-out region: -27.48,-49.21 -27.48,-68.9 -19.76,-68.9 -19.76,-49.21
  TOP keep-out region: 19.76,68.9 19.76,49.21 27.48,49.21 27.48,68.9
  TOP keep-out region: 4.02,68.9 4.02,49.21 11.73,49.21 11.73,68.9
  TOP keep-out region: -11.73,68.9 -11.73,49.21 -4.02,49.21 -4.02,68.9
  TOP keep-out region: -27.48,68.9 -27.48,49.21 -19.76,49.21 -19.76,68.9
  silkscreen extent -39,-91 -24,-75, body extent -87,-87 87,87, height 150
QFN20_0D5_1D8 [mm] "QFN20_0D5_1D8"
  rect 0.65x0.65 smd: 1(-1.425,1.425) 6(-1.425,-1.425) 11(1.425,-1.425) 16(1.425,1.425)
  rect 0.65x0.28 smd: 2(-1.425,0.75) 3(-1.425,0.25) 4(-1.425,-0.25) 5(-1.425,-0.75) 12(1.425,-0.75) 13(1.425,-0.25) 14(1.425,0.25) 15(1.425,0.75)
  rect 0.28x0.65 smd: 7(-0.75,-1.425) 8(-0.25,-1.425) 9(0.25,-1.425) 10(0.75,-1.425) 17(0.75,1.425) 18(0.25,1.425) 19(-0.25,1.425) 20(-0.75,1.425)
  rect 1.7x1.7 smd: 21(0,0)
  TOP keep-out region: -1.1,1.75 -0.89,1.75 -0.89,1.1 -1.1,1.1
  TOP keep-out region: -0.61,1.1 -0.39,1.1 -0.39,1.75 -0.61,1.75
  TOP keep-out region: -0.11,1.75 0.11,1.75 0.11,1.1 -0.11,1.1
  TOP keep-out region: 0.39,1.1 0.61,1.1 0.61,1.75 0.39,1.75
  TOP keep-out region: 0.89,1.75 1.1,1.75 1.1,1.1 0.89,1.1
  TOP keep-out region: 1.75,0.89 1.1,0.89 1.1,1.1 1.75,1.1
  TOP keep-out region: -1.1,0.89 -1.75,0.89 -1.75,1.1 -1.1,1.1
  TOP keep-out region: -1.1,0.39 -1.75,0.39 -1.75,0.61 -1.1,0.61
  TOP keep-out region: -1.75,0.11 -1.1,0.11 -1.1,-0.11 -1.75,-0.11
  TOP keep-out region: 1.1,-0.11 1.75,-0.11 1.75,0.11 1.1,0.11
  TOP keep-out region: 1.75,0.39 1.1,0.39 1.1,0.61 1.75,0.61
  TOP keep-out region: -1.1,-1.75 -0.89,-1.75 -0.89,-1.1 -1.1,-1.1
  TOP keep-out region: -0.61,-1.1 -0.39,-1.1 -0.39,-1.75 -0.61,-1.75
  TOP keep-out region: -0.11,-1.75 0.11,-1.75 0.11,-1.1 -0.11,-1.1
  TOP keep-out region: 0.39,-1.1 0.61,-1.1 0.61,-1.75 0.39,-1.75
  TOP keep-out region: 0.89,-1.75 1.1,-1.75 1.1,-1.1 0.89,-1.1
  TOP keep-out region: 1.75,-0.89 1.1,-0.89 1.1,-1.1 1.75,-1.1
  TOP keep-out region: -1.1,-0.89 -1.75,-0.89 -1.75,-1.1 -1.1,-1.1
  TOP keep-out region: -1.1,-0.39 -1.75,-0.39 -1.75,-0.61 -1.1,-0.61
  TOP keep-out region: 1.75,-0.39 1.1,-0.39 1.1,-0.61 1.75,-0.61
  silkscreen extent -2.46,2.03 -2.03,2.46, body extent -1.55,-1.55 1.55,1.55, height 3.81
QFN20_0D5_2D5 [mil] "QFN20_0D5_2D5"
  rect 11.81x31.5 smd: 1(68.74,51.06) 2(49.05,51.06) 3(29.37,51.06) 4(9.68,51.06) 5(-10,51.06) 6(-29.69,51.06) 7(-49.37,51.06) 8(-69.06,51.06) 11(-69.06,-47.36) 12(-49.37,-47.36) 13(-29.69,-47.36) 14(-10,-47.36) 15(9.68,-47.36) 16(29.37,-47.36) 17(49.05,-47.36) 18(68.74,-47.36)
  rect 31.5x11.81 smd: 9(-88.74,11.69) 10(-88.74,-7.99) 19(88.42,-7.99) 20(88.42,11.69)
  rect 98.43x31.5 smd: 21(-0.16,1.85)
  silkscreen extent -89,-47 98,86, body extent -95,-59 95,59, height 150
QFN76_0D4_9 [mil] "QFN76_0D4_9"
  oval 47.24x7.87 smd: 1(-183.07,141.73) 2(-183.07,125.98) 3(-183.07,110.24) 4(-183.07,94.49) 5(-183.07,78.74) 6(-183.07,62.99) 7(-183.07,47.24) 8(-183.07,31.5) 9(-183.07,15.75) 10(-183.07,0) 11(-183.07,-15.75) 12(-183.07,-31.5) 13(-183.07,-47.24) 14(-183.07,-62.99) 15(-183.07,-78.74) 16(-183.07,-94.49) 17(-183.07,-110.24) 18(-183.07,-125.98) 19(-183.07,-141.73) 39(183.07,-141.73) 40(183.07,-125.98) 41(183.07,-110.24) 42(183.07,-94.49) 43(183.07,-78.74) 44(183.07,-62.99) 45(183.07,-47.24) 46(183.07,-31.5) 47(183.07,-15.75) 48(183.07,0) 49(183.07,15.75) 50(183.07,31.5) 51(183.07,47.24) 52(183.07,62.99) 53(183.07,78.74) 54(183.07,94.49) 55(183.07,110.24) 56(183.07,125.98) 57(183.07,141.73)
  oval 7.87x47.24 smd: 20(-141.73,-183.07) 21(-125.98,-183.07) 22(-110.24,-183.07) 23(-94.49,-183.07) 24(-78.74,-183.07) 25(-62.99,-183.07) 26(-47.24,-183.07) 27(-31.5,-183.07) 28(-15.75,-183.07) 29(0,-183.07) 30(15.75,-183.07) 31(31.5,-183.07) 32(47.24,-183.07) 33(62.99,-183.07) 34(78.74,-183.07) 35(94.49,-183.07) 36(110.24,-183.07) 37(125.98,-183.07) 38(141.73,-183.07) 58(141.73,183.07) 59(125.98,183.07) 60(110.24,183.07) 61(94.49,183.07) 62(78.74,183.07) 63(62.99,183.07) 64(47.24,183.07) 65(31.5,183.07) 66(15.75,183.07) 67(0,183.07) 68(-15.75,183.07) 69(-31.5,183.07) 70(-47.24,183.07) 71(-62.99,183.07) 72(-78.74,183.07) 73(-94.49,183.07) 74(-110.24,183.07) 75(-125.98,183.07) 76(-141.73,183.07)
  rect 248.03x248.03 smd: 77(0,0)
  silkscreen extent -231,-185 185,185, body extent -185,-185 185,185, height 150
R0201#1 [mil] "R0201"
  rect 11.81x15.75 smd: 1(-11.81,0) 2(11.81,0)
R0201#2 [mil] "R0201"
  rect 11.81x15.75 smd: 1(11.81,0) 2(-11.81,0)
R0402#1 [mil] "R0402"
  rect 19.68x19.68 smd: 1(-15.75,0) 2(15.75,0)
  TOP keep-out region: -5.91,13.78 5.91,13.78 5.91,-13.78 -5.91,-13.78
  body extent -26,-10 26,10, height 150
R0402#2 [mil] "R0402"
  rect 19.68x19.68 smd: 1(15.75,0) 2(-15.75,0)
  TOP keep-out region: 5.91,-13.78 -5.91,-13.78 -5.91,13.78 5.91,13.78
  body extent -26,-10 26,10, height 150
R1206 [mil] "R1206"
  rect 47.24x62.99 smd: 1(-51.18,0) 2(51.18,0)
  TOP keep-out region: -27.56,35.43 27.56,35.43 27.56,-35.43 -27.56,-35.43
  body extent -63,-32 63,32, height 150
RJ45_LED_TH22_LIE [mil] "RJ45_LED_TH22_LIE"
  round 60 / inner round 45.28 / far side round 60 hole 35.43: 1(-224.76,350) 2(-174.76,250) 3(-124.76,350) 4(-74.76,250) 5(-24.76,350) 6(25.24,250) 7(75.24,350) 8(125.24,250) 9(175.24,350) 10(225.24,250) 11(-224.76,150.79) 12(-124.76,100.79) 13(125.24,100.79) 14(225.24,150.79) 18(261.85,-159.84)
  round 62.99 hole 40.16: 15(-260.98,-159.84) 16(-160.98,-159.84) 17(161.85,-159.84)
  oval 71x100 / inner round 71 / far side oval 71x100 hole 71 slot 100 at 90 deg: 19(-308.62,120.08) 20(309.49,120.08)
  round 128 hole 128 unplated: ""(-224.56,0) ""(225.44,0)
  Multi-Layer keep-out region: 309.85,0 308.22,16.47 303.42,32.3 295.62,46.89 285.12,59.68 272.33,70.18 257.74,77.98 241.91,82.78 225.44,84.41 208.97,82.78 193.14,77.98 183.42,72.79 183.42,72.79 178.55,70.18 165.76,59.68 155.26,46.89 147.46,32.3 142.66,16.47 141.03,0 142.66,-16.47 147.46,-32.3 155.26,-46.89 165.76,-59.68 178.55,-70.18 183.42,-72.79 183.42,-72.79 193.14,-77.98 208.97,-82.78 225.44,-84.41 241.91,-82.78 257.74,-77.98 272.33,-70.18 285.12,-59.68 295.62,-46.89 303.42,-32.3 308.22,-16.47 309.85,0
  Multi-Layer keep-out region: -140.15,0 -141.78,16.47 -146.58,32.3 -154.38,46.89 -164.88,59.68 -177.67,70.18 -192.26,77.98 -208.09,82.78 -224.56,84.41 -241.03,82.78 -256.86,77.98 -266.58,72.79 -266.58,72.79 -271.45,70.18 -284.24,59.68 -294.74,46.89 -302.54,32.3 -307.34,16.47 -308.97,0 -307.34,-16.47 -302.54,-32.3 -294.74,-46.89 -284.24,-59.68 -271.45,-70.18 -266.58,-72.79 -266.58,-72.79 -256.86,-77.98 -241.03,-82.78 -224.56,-84.41 -208.09,-82.78 -192.26,-77.98 -177.67,-70.18 -164.88,-59.68 -154.38,-46.89 -146.58,-32.3 -141.78,-16.47 -140.15,0
  silkscreen extent -253,456 -215,474, body extent -355,-430 355,430, height 150
SC70_5#1 [mm] "SC70_5"
  rect 0.43x0.94 smd: 1(0.65,0.97) 2(0,0.97) 3(-0.65,0.97) 4(-0.65,-0.97) 5(0.65,-0.97)
  TOP keep-out region: 0.434,1.44 0.434,0.5 0.216,0.5 0.216,1.44
  TOP keep-out region: -0.216,1.44 -0.216,0.5 -0.434,0.5 -0.434,1.44
  silkscreen extent 0.36,1.51 0.92,1.79, body extent -1.07,-1.2 1.07,1.2, height 3.81
SC70_5#2 [mm] "SC70_5"
  rect 0.43x0.94 smd: 1(-0.65,-0.97) 2(0,-0.97) 3(0.65,-0.97) 4(0.65,0.97) 5(-0.65,0.97)
  TOP keep-out region: -0.434,-1.44 -0.216,-1.44 -0.216,-0.5 -0.434,-0.5
  TOP keep-out region: 0.216,-1.44 0.434,-1.44 0.434,-0.5 0.216,-0.5
  silkscreen extent -0.92,-1.79 -0.36,-1.51, body extent -1.07,-1.2 1.07,1.2, height 3.81
SOD_123#1 [mil] "SOD_123"
  rrect50% 32x40 smd: 1(65.75,0) 2(-61.81,0)
  TOP keep-out region: -84.64,27.56 -84.64,11.81 -72.83,11.81 -72.83,27.56
  TOP keep-out region: -84.64,-11.81 -84.64,-27.56 -72.83,-27.56 -72.83,-11.81
  TOP keep-out region: -53.15,27.56 -53.15,11.81 -41.34,11.81 -41.34,27.56
  TOP keep-out region: -53.15,-11.81 -53.15,-27.56 -41.34,-27.56 -41.34,-11.81
  TOP keep-out region: 45.28,27.56 45.28,11.81 57.09,11.81 57.09,27.56
  TOP keep-out region: 76.77,27.56 76.77,11.81 88.58,11.81 88.58,27.56
  TOP keep-out region: 45.28,-11.81 45.28,-27.56 57.09,-27.56 57.09,-11.81
  TOP keep-out region: 76.77,-11.81 76.77,-27.56 88.58,-27.56 88.58,-11.81
  silkscreen extent -30,-28 26,28, body extent -89,-43 89,43, height 150
SOD_123#2 [mil] "SOD_123"
  rrect25% 32x40 smd: 1(65.75,0) 2(-61.81,0)
  TOP keep-out region: -84.64,27.56 -84.64,11.81 -72.84,11.81 -72.84,27.56
  TOP keep-out region: -84.64,-11.81 -84.64,-27.56 -72.84,-27.56 -72.84,-11.81
  TOP keep-out region: -53.15,27.56 -53.15,11.81 -41.34,11.81 -41.34,27.56
  TOP keep-out region: -53.15,-11.81 -53.15,-27.56 -41.34,-27.56 -41.34,-11.81
  TOP keep-out region: 45.28,27.56 45.28,11.81 57.09,11.81 57.09,27.56
  TOP keep-out region: 76.77,27.56 76.77,11.81 88.58,11.81 88.58,27.56
  TOP keep-out region: 45.28,-11.81 45.28,-27.56 57.09,-27.56 57.09,-11.81
  TOP keep-out region: 76.77,-11.81 76.77,-27.56 88.58,-27.56 88.58,-11.81
  silkscreen extent -30,-28 26,28, body extent -89,-43 89,43, height 150